# KiCad board proteus.kicad_pcb (continued)
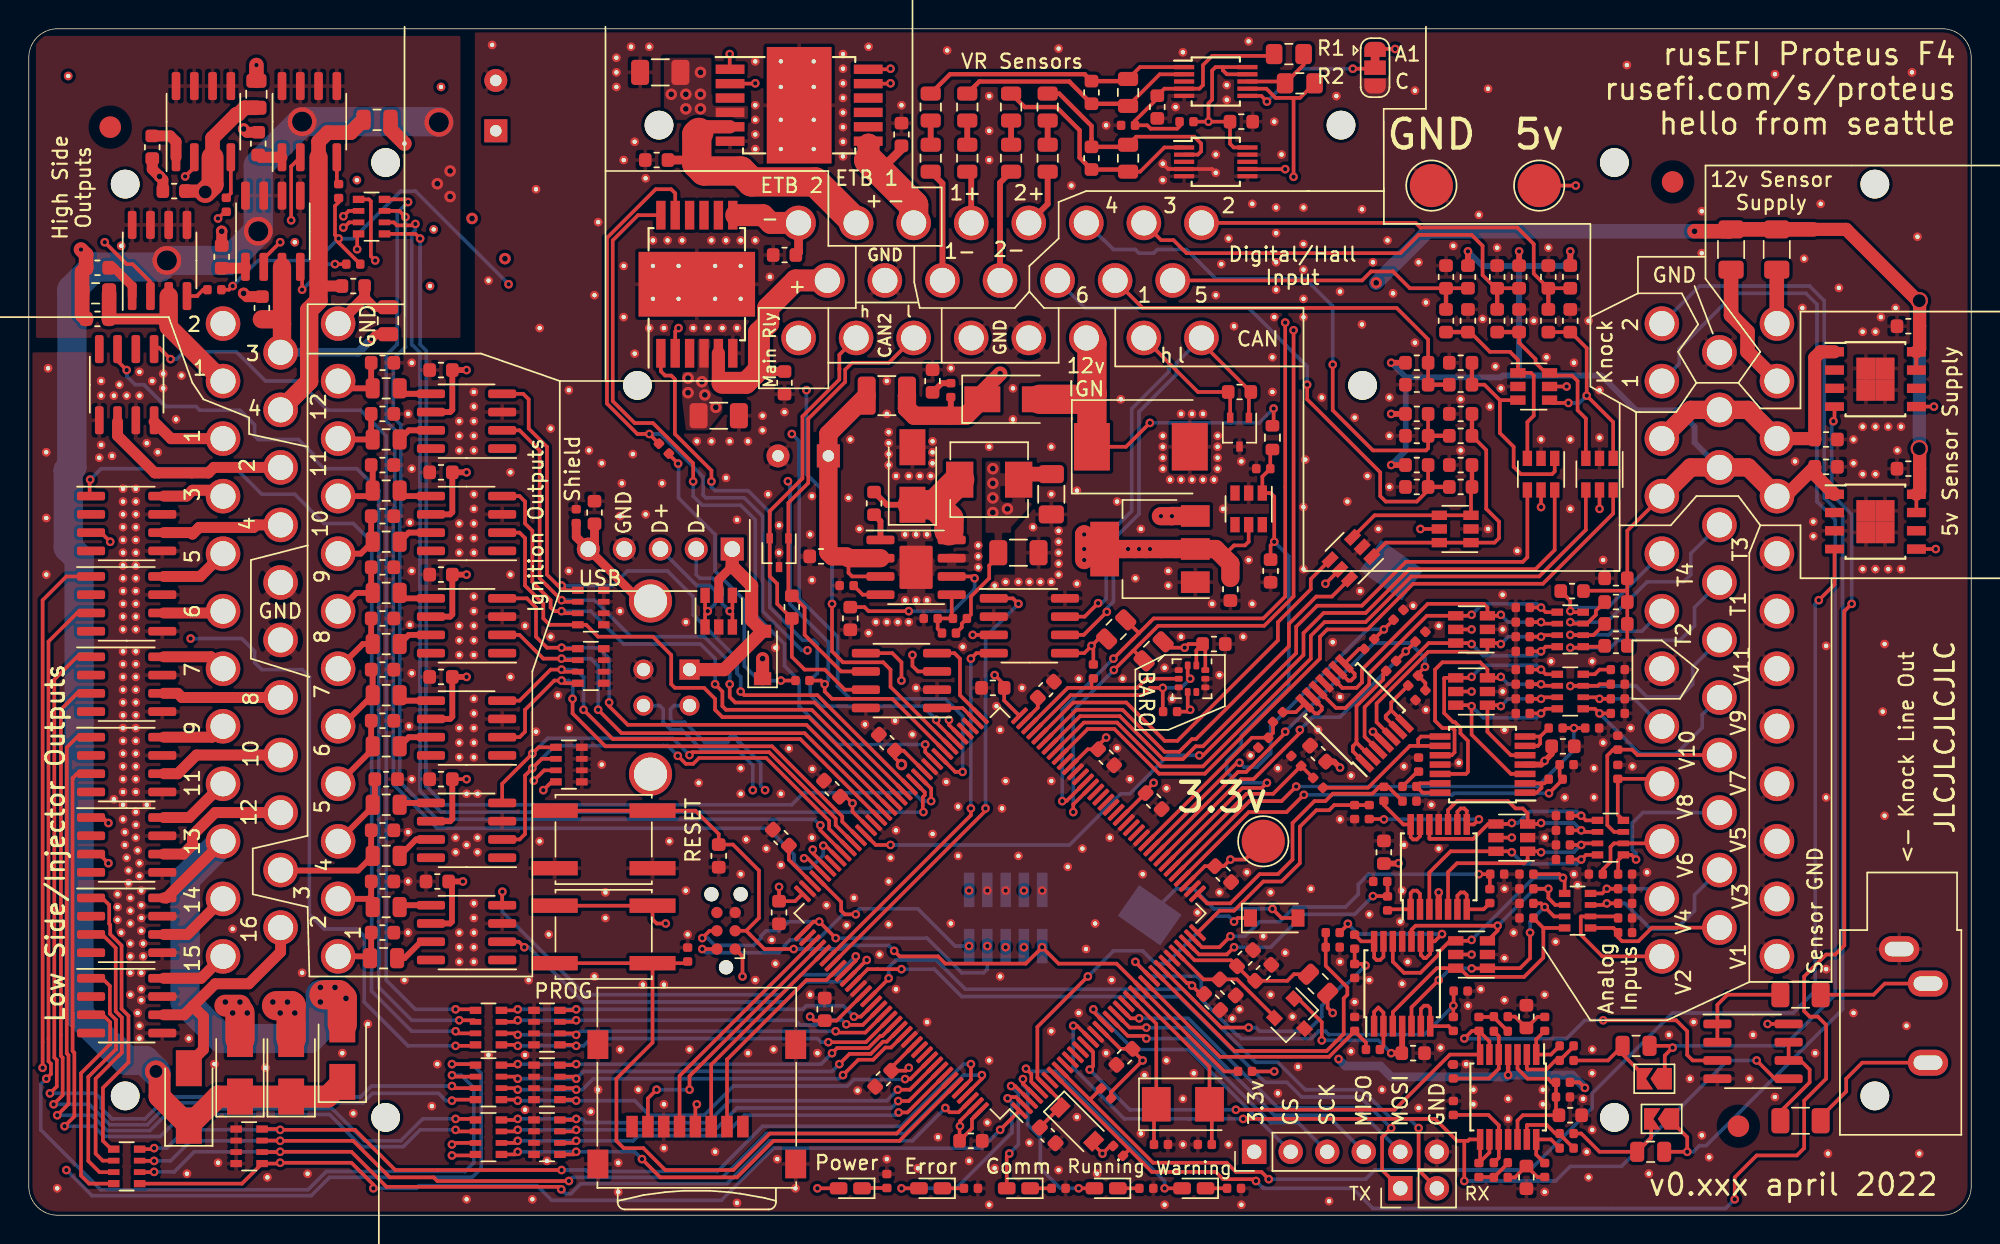
[diagram p0: board, top side]
## Routing (per net, layer and track width the routed paths; a pad name or vN(x,y) marks a point on that pad's centre or on a via; arc(x,y) is an arc through that point) (continued)
  Bottom w0.254: v3(71.83,28.8) 71.83,35.15 v3(75.38,38.7)
/USB_D+: length 38.9
  Top w0.2: U1501.104 55.22,23.77
  Top w0.254: U1502.1 47,41.82 v3(47.19,42) 47,42.19 U1502.6 ; v3(53.88,24.82) 54.13,24.82 55.18,23.77 U1501.104
  In1.Cu w0.254: v3(50.32,29.56) 50.49,29.39 50.49,28.46 53.88,25.07 v3(53.88,24.82) ; v3(47.19,42) 47.7,41.5 47.7,40.59 47.21,40.1 44.67,40.1 44.07,39.49 44.07,36.79 J1501.3
  Bottom w0.254: J1501.3 43.85,35.44 44.09,35.2 44.09,34.28 44.6,33.77 45.36,33.77 46.78,32.35 49.24,32.35 50.32,31.28 v3(50.32,29.56) ; J1504.3 46.43,43.78 47.34,43.78 47.7,43.42 47.7,42.51 v3(47.19,42)
/USB_D-: length 38.2
  Top w0.2: U1501.103 55.54,24.08
  Top w0.254: U1501.103 55.54,24.13 54.49,25.18 v3(54.49,25.42) ; U1502.4 48.9,42.19 v3(48.71,42) 48.9,41.82 U1502.3
  In1.Cu w0.254: J1501.2 44.57,36.79 44.57,39.28 44.88,39.59 47.42,39.59 48.21,40.37 48.21,41.5 v3(48.71,42) ; v3(51.17,29.56) 51,29.39 51,28.67 54.24,25.42 v3(54.49,25.42)
  Bottom w0.254: v3(51.17,29.56) 50.87,29.86 50.87,31.44 49.45,32.86 49.41,32.87 49.36,32.88 49.32,32.91 49.29,32.94 49.26,32.98 49.25,33.02 49.24,33.12 49.22,33.16 49.2,33.2 49.16,33.24 49.12,33.26 49.08,33.28 49.03,33.28 48.85,33.28 48.81,33.28 48.76,33.26 48.72,33.24 48.69,33.2 48.66,33.16 48.65,33.12 48.64,33.02 48.62,32.98 48.6,32.94 48.56,32.91 48.52,32.88 48.48,32.87 48.43,32.86 46.99,32.86 45.57,34.28 44.81,34.28 44.6,34.49 44.6,35.2 44.84,35.44 J1501.2 ; v3(48.71,42) 48.21,42.51 48.21,43.63 47.55,44.29 46.64,44.29 46.39,44.54 J1504.2
/USB_SHIELD: length 23.9
  Top w0.254: 43.86,30.07 43.42,30.07
  Top w0.61: J1504.5 38.05,47.16 R1501.1 ; J1504.5 39.32,46.75 C1516.1 ; J1504.5 42.5,42.71 J1501.5
  In1.Cu w0.762: J1501.5 41.35,32.53 41.35,40.85 J1501.5
/VR1+: length 3.7
  Top w0.406: R1205.2 65.5,72.29 J101.5
/VR1-: length 7.9
  Top w0.406: R1208.2 63.5,71.75 J101.13
/VR2+: length 4.1
  Top w0.406: R1210.2 70.81,70.31 J101.4
/VR2-: length 7.9
  Top w0.406: R1213.2 67.5,71.79 J101.12
Net-(BT1-Pad1): length 11.9
  Top w0.254: D3.2 87.07,20.67 v2(86.43,21.3)
  Bottom w0.254: v2(86.43,21.3) 82.37,21.3 80.97,22.7 79.74,22.7 BT1.1
Net-(C1-Pad1): length 18
  Top w0.254: 105.26,19.98 RN701.8 ; 105.26,19.98 C1.1 ; 105.26,19.98 105.26,17.91 103.93,16.57 100.05,16.57 99.45,17.18 U1.6 97.85,17.18 94.8,14.12 U701.3
Net-(C2-Pad1): length 18
  Top w0.254: C2.1 105.1,21.68 v2(105.36,21.43) 106.01,20.78 RN701.7 ; v2(104.34,19.65) 104.34,17.87 103.64,17.18 U1.1 ; v2(100.28,17.16) 101.36,17.16 U1.1 ; U1.1 101.87,17.18 ; v2(97.99,16.35) 96.1,14.46 U701.5
  Bottom w0.254: v2(100.28,17.16) 98.8,17.16 v2(97.99,16.35) ; v2(104.34,19.65) 104.34,20.41 v2(105.36,21.43)
Net-(C3-Pad1): length 15.9
  Top w0.254: U1.3 102.08,19.78 v2(102.08,20.13) 96.38,20.13 96.1,19.85 U701.10 ; C3.1 v2(105.61,22.7) 105.61,22.05 106.09,21.58 RN701.6
  Bottom w0.254: v2(105.61,22.7) 104.65,22.7 v2(102.08,20.13)
Net-(C4-Pad1): length 19.7
  Top w0.254: RN701.5 106.74,23.35 v2(106.63,23.46) 106.37,23.72 C4.1 ; v2(100.28,19.14) 100.21,19.08 U1.4 98.77,19.08 97.99,18.3 97.99,18.13 96.72,16.86 95.58,16.86 94.8,17.63 U701.12
  Bottom w0.254: v2(106.63,23.46) 104.59,23.46 v2(100.28,19.14)
Net-(C5-Pad1): length 16.3
  Top w0.254: C5.1 v2(107.9,24.73) 108.22,25.06 RN801.8 ; U801.3 97.34,23.83 98.82,25.31 U2.6 103,25.31 v2(103.07,25.24)
  Bottom w0.254: v2(107.9,24.73) 107.6,24.43 103.88,24.43 v2(103.07,25.24)
Net-(C6-Pad1): length 15
  Top w0.254: C6.1 v2(107.9,25.75) 108,25.86 RN801.7 ; v2(105.1,25.24) 105.04,25.31 U2.1 104.17,24.73 103.92,24.48 99.26,24.48 98.64,23.86 U801.5
  Bottom w0.254: v2(105.1,25.24) 107.39,25.24 v2(107.9,25.75)
Net-(C7-Pad1): length 13.8
  Top w0.254: C7.1 v2(107.9,26.76) 108,26.66 RN801.6 ; v2(105.1,27.27) 105.04,27.21 U2.3 104.17,27.95 103.83,28.29 103.32,28.29 102.82,28.8 99.26,28.8 98.64,28.18 U801.10
  Bottom w0.254: v2(107.9,26.76) 107.39,27.27 v2(105.1,27.27)
Net-(C8-Pad1): length 14.5
  Top w0.254: v2(103.07,27.27) 103,27.21 U2.4 101.42,27.21 100.39,26.17 97.37,26.17 97.34,26.2 U801.12 ; C8.1 v2(107.9,27.78) 108.22,27.46 RN801.5
  Bottom w0.254: v2(103.07,27.27) 103.49,27.27 104.3,28.08 107.6,28.08 v2(107.9,27.78)
Net-(C9-Pad1): length 15.3
  Top w0.254: U901.3 103.01,30.69 100.28,33.42 v2(100.28,35.4) 100.21,35.47 U3.6 ; C9.1 v2(105.1,34.89) 105.43,35.22 RN901.8
  Bottom w0.254: v2(100.28,35.4) 101.08,34.59 104.8,34.59 v2(105.1,34.89)
Net-(C10-Pad1): length 11.1
  Top w0.254: v2(102.31,35.4) 102.24,35.47 U3.1 101.38,33.62 103.01,31.99 U901.5 ; RN901.7 105.21,36.02 v2(105.1,35.91) C10.1
  Bottom w0.254: v2(102.31,35.4) 102.82,35.91 v2(105.1,35.91)
Net-(C11-Pad1): length 18.4
  Top w0.254: RN901.6 105.21,36.82 v2(105.1,36.92) C11.1 ; v2(102.31,37.43) 102.24,37.37 U3.3 101.38,37.95 100.87,38.45 98.24,38.45 97.74,37.94 97.74,34.38 98.24,33.88 98.95,33.88 99.09,33.73 99.09,32.19 98.89,31.99 U901.10
  Bottom w0.254: v2(105.1,36.92) 102.82,36.92 v2(102.31,37.43)
Net-(C12-Pad1): length 18.5
  Top w0.254: RN901.5 105.43,37.62 v2(105.1,37.94) C12.1 ; U901.12 99.88,30.69 100.02,30.83 100.02,32.99 99.5,33.51 99.5,33.9 99.12,34.28 99,34.28 98.37,34.92 98.37,37.34 98.39,37.37 U3.4 100.21,37.37 v2(100.28,37.43)
  Bottom w0.254: v2(100.28,37.43) 101.08,38.24 104.8,38.24 v2(105.1,37.94)
Net-(C13-Pad1): length 20
  Top w0.254: RN1101.8 105.43,39.53 v2(105.1,39.21) C13.1 ; U1101.3 92.84,33.28 92.84,35.33 97.29,39.78 U4.6 ; U4.6 100.21,39.78 v2(100.28,39.72) ; U4.6 99.19,39.78
  Bottom w0.254: v2(100.28,39.72) 101.08,38.91 104.8,38.91 v2(105.1,39.21)
Net-(C14-Pad1): length 18.5
  Top w0.254: U1101.5 93.67,34.29 93.67,35.59 97.26,39.18 99.96,39.18 100,39.14 101.31,39.14 101.38,39.2 U4.1 102.24,39.78 v2(102.31,39.72) ; C14.1 v2(105.1,40.23) 105.21,40.33 RN1101.7
  Bottom w0.254: v2(105.1,40.23) 102.82,40.23 v2(102.31,39.72)
Net-(C15-Pad1): length 20.7
  Top w0.254: v2(102.31,41.75) 102.24,41.68 U4.3 101.38,42.26 101.13,42.51 97.23,42.51 92.66,37.94 92.66,37.05 92.28,36.67 91.29,36.67 U1101.10 ; RN1101.6 105.21,41.13 v2(105.1,41.24) C15.1
  Bottom w0.254: v2(102.31,41.75) 102.82,41.24 v2(105.1,41.24)
Net-(C16-Pad1): length 21.7
  Top w0.254: U4.4 99.07,41.68 ; U4.4 97.16,41.68 93.16,37.69 93.16,36.92 91.51,35.27 90.85,35.27 U1101.12 ; U4.4 100.21,41.68 v2(100.28,41.75) ; RN1101.5 105.43,41.93 v2(105.1,42.26) C16.1
  Bottom w0.254: v2(105.1,42.26) 104.85,42.51 101.04,42.51 v2(100.28,41.75)
Net-(C18-Pad1): length 9.8
  Top w0.254: J3.R 127.43,10.61 126.31,9.49 126.31,8.6 124.54,6.83 C18.1
Net-(C18-Pad2): length 7.4
  Top w0.254: C18.2 121.74,7.2 123.77,9.24 123.77,10.13 123.14,10.76 U7.6 U7.7
Net-(C19-Pad1): length 7.8
  Top w0.254: J3.T 128.99,16.11 128.22,15.33 C19.1
Net-(C19-Pad2): length 7.3
  Top w0.254: C19.2 118.06,15.33 117.36,14.64 U7.1 U7.2
Net-(C21-Pad2): length 3.2
  Top w0.254: R42.1 104.85,13.79 C21.2 103.3,13.81 R44.2
Net-(C22-Pad2): length 3.2
  Top w0.254: R43.1 104.85,2.66 C22.2 103.3,2.63 R45.2
Net-(C23-Pad1): length 2.5
  Top w0.254: R46.2 101.82,13.76 R44.1 101.8,13.79 C23.1
Net-(C24-Pad1): length 2.5
  Top w0.254: R47.2 102.79,3.6 R45.1 101.8,2.66 C24.1
Net-(C25-Pad2): length 6.2
  Top w0.254: C25.2 101.49,9.52 102.17,10.19 U5.5 102.17,12.45 R46.1 101.8,12.82
Net-(C26-Pad2): length 6.2
  Top w0.254: R47.1 102.17,3.99 U5.10 102.17,6.25 101.44,6.97 C26.2
Net-(C30-Pad1): length 27.3
  Top w0.254: C30.1 71.64,7.48 D4.1 71.68,7.98 U1501.6 70.1,9.56 70.1,13.1 v2(73.61,16.6) ; v2(83.77,20.41) 84.02,20.67 D3.1
  Bottom w0.254: v2(73.61,16.6) 75.38,18.38 77.42,18.38 78.31,17.49 79.07,17.49 82.37,20.8 83.39,20.8 v2(83.77,20.41)
Net-(C902-Pad1): length 11.8
  Top w0.254: C902.1 58.09,42.28 58.37,42 v2(61.16,42) ; v2(65.73,44.29) 65.61,44.42 U903.6
  Bottom w0.254: v2(65.73,44.29) 65.73,43.53 64.21,42 v2(61.16,42)
Net-(C904-Pad1): length 2.1
  Top w0.406: 59.1,47.05 59.19,46.96 59.19,48.26 C904.1
Net-(C904-Pad2): length 9.3
  Top w0.406: C904.2 59.63,49.4 D901.1
  Top w2.032: D901.1 62.95,49.4 ; 62.95,49.4 63.95,48.4 63.95,47.59 ; 62.95,49.4 L1001.1
Net-(C905-Pad2): length 3.9
  Top w0.254: U903.5 64.14,41.58 R908.1 R907.1 63.17,40.78 C905.2
Net-(C1001-Pad1): length 19.1
  Top w0.254: 59.19,44.42 57.22,44.42 56.97,44.67 56.97,45.69 56.84,45.81
  Top w1.27: 56.97,45.69 59.19,45.69 ; L1002.2 55.57,54.33 C1001.1 55.57,46.09 C1002.1 56.84,45.81
Net-(C1006-Pad1): length 1.5
  Top w0.406: R906.2 63.45,57.86 C1006.1
Net-(C1205-Pad1): length 13.8
  Top w0.254: C1205.1 100.17,61.41 101.55,60.04 102.94,60.04 103.49,59.49 U1106.1 104.41,58.58 104.59,58.39 104.59,55.59 104.15,55.15 104.15,52.63
  Top w0.305: C1205.1 R1202.1
Net-(C1208-Pad1): length 12.5
  Top w0.254: 100.3,50.55 R1204.1 100.23,50.57 100.23,48.67 93.53,48.67 U1208.3
  Top w0.305: R1204.1 C1208.1
Net-(C1209-Pad1): length 17
  Top w0.254: U1203.2 78.6,79.33 R1207.2
  Top w0.305: R1206.1 66.06,78.83 72.31,78.83 C1209.1 76.25,77.28 R1207.2
Net-(C1209-Pad2): length 18.8
  Top w0.254: U1203.1 77.22,79.83 R1207.1
  Top w0.305: R1209.1 64.03,79.34 73.38,79.34 C1209.2 76.25,78.86 R1207.1
Net-(C1210-Pad1): length 15.4
  Top w0.254: U1204.2 81.25,73.75 81.48,73.98 81.48,74.52 81,74.99 76.96,74.99 R1212.2
  Top w0.305: R1212.2 76.25,74.29 C1210.1 73.86,75.75 71.61,77.99 R1211.1
Net-(C1210-Pad2): length 16.1
  Top w0.254: R1212.1 77.24,72.56 78.92,74.25 U1204.1
  Top w0.305: R1212.1 76.25,72.71 C1210.2 73.03,73.54 73.03,75.44 71.42,77.06 69.21,77.06 R1214.1
Net-(C1212-Pad1): length 16.4
  Top w0.254: 86.55,80.74 86.42,80.61 82.24,80.61 81.61,79.98 81.61,78.58 81.36,78.33 U1203.4 78.92,78.33 C1212.1 78.43,77.65 76.89,76.11 R1218.2 77.73,75.79 77.97,75.55 79.81,75.55 79.98,75.72 R1217.2 79.98,76.04
Net-(C1402-Pad1): length 14.3
  Top w0.254: 106.05,52.63 106.05,51.72 105.86,51.53 103.7,51.53 103.2,52.04 103.2,53.43 102.24,54.39 102.24,56.67 ; 102.24,56.67 U1106.3 ; 102.24,56.67 101.17,57.75 R1402.1
  Top w0.305: R1402.1 C1402.1
Net-(C1404-Pad1): length 14.4
  Top w0.254: R1404.1 C1404.1 107.16,61.41 108.28,60.29 v2(108.28,56.99) 110.12,55.15 110.12,52.63 ; U1106.4 105.89,56.48 v2(107.01,56.48)
  Bottom w0.254: v2(108.28,56.99) 107.77,56.48 v2(107.01,56.48)
Net-(C1406-Pad1): length 13.2
  Top w0.254: C1406.1 103.58,60.67 104.72,59.53 104.72,59.28 105.42,58.58 U1106.6 105.88,58.39 107.26,58.39 107.64,58.01 107.64,55.97 108.22,55.4 108.22,52.63
  Top w0.305: R1406.1 C1406.1
Net-(C1408-Pad1): length 18.8
  Top w0.254: U1208.1 94.32,46.77 U1107.6 U1107.1 101.87,46.77 102.18,47.08 102.18,48.23 101.29,49.12 101.29,53.21 R1408.1
  Top w0.305: R1408.1 C1408.1
Net-(C1518-Pad1): length 2
  Top w0.254: C1518.1 70.13,35.3 U1501.71
Net-(C1519-Pad1): length 3.3
  Top w0.254: C1519.1 52.83,24.71 U1501.106
Net-(C1520-Pad1): length 8.7
  Top w0.254: U8.2 86.58,13.79 83.97,16.4 C1520.1 81.65,16.4 U1501.32
Net-(C1521-Pad1): length 10.9
  Top w0.254: 78.2,4.92 78.2,7.55 Y1501.1 78.36,13.32 U1501.23
Net-(C1522-Pad1): length 12.7
  Top w0.254: C1522.1 82.22,7.55 Y1501.2 82.06,10.33 U1501.24
Net-(C1901-Pad1): length 6.7
  Top w0.254: R1901.2 109.75,10.76 C1901.1 110.77,11.19 112.25,9.71 JP1.2
Net-(C1902-Pad1): length 7.6
  Top w0.254: JP2.2 112.76,5.39 C1902.1 109.17,4.41 107.9,5.68 R1902.2
Net-(D1502-Pad1): length 1.7
  Top w0.254: D1502.1 57.93,1.89 R1508.2
Net-(D1503-Pad2): length 15.2
  Top w0.61: 48.89,45.13 47.95,44.2 U1502.5
  Top w0.914: J1504.1 48.89,45.13 50.24,43.78 50.24,41.37 D1503.2 48.33,37.94 J1501.1
Net-(D1504-Pad1): length 1.5
  Top w0.254: D1504.1 R1509.2
Net-(D1505-Pad1): length 1.5
  Top w0.254: R1510.2 D1505.1
Net-(D1506-Pad1): length 1.5
  Top w0.254: D1506.1 R1511.2
Net-(D1507-Pad1): length 1.5
  Top w0.254: D1507.1 R1512.2
Net-(F101-Pad1): length 9.1
  Top w1.016: J103.11 119.45,60.05 119.45,61.44 118.31,62.58 F101.1
Net-(F102-Pad2): length 3.8
  Top w1.016: F102.2 121.49,62.02 J103.12
Net-(J1502-Pad6): length 0.1
  Bottom w0.61: J1502.6 v2(67.89,18.64)
Net-(J1502-Pad7): length 0
  Bottom w0.61: J1502.7 v2(69.16,22.57)
Net-(J1502-Pad8): length 0.1
  Bottom w0.61: J1502.8 v2(69.16,18.64)
Net-(JP1201-Pad2): length 10
  Top w0.254: v2(86.05,77.44) 85.66,77.83 U1203.6 ; v2(92.02,79.72) 93.5,79.72 JP1201.2
  Bottom w0.254: v2(86.05,77.44) 88.34,79.72 v2(92.02,79.72)
Net-(R1-Pad2): length 4.6
  Top w0.254: U701.1 93.5,14.15 93.8,14.45 94.15,14.09 U701.2 94.15,11.77 R1.2
Net-(R2-Pad2): length 5
  Top w0.254: U701.6 96.75,14.35 96.97,14.57 97.23,14.57 97.4,14.4 U701.7 98.68,13.15 R2.2
Net-(R3-Pad2): length 11.4
  Top w0.254: R3.2 91.68,20.22 v2(91.68,20.27) ; U701.9 96.75,18.1 96.97,17.87 97.1,17.87 97.4,18.17 U701.8 97.71,19.05 v2(98.22,19.55)
  Bottom w0.254: v2(91.68,20.27) 92.39,19.55 v2(98.22,19.55)
Net-(R4-Pad2): length 4.6
  Top w0.254: R4.2 92.6,19.05 U701.14 93.5,17.92 93.67,17.75 93.93,17.75 94.15,17.97 U701.13
Net-(R9-Pad2): length 4.7
  Top w0.254: R9.2 94.51,21.27 U801.1 96.04,22.4 96.21,22.57 96.47,22.57 96.69,22.35 U801.2
Net-(R10-Pad2): length 4.5
  Top w0.254: R10.2 101.11,21.27 U801.7 99.94,22.27 99.77,22.45 99.51,22.45 99.29,22.22 U801.6
Net-(R11-Pad2): length 11.3
  Top w0.254: v2(100.78,27.53) 100.43,27.17 U801.8 99.94,28.12 99.77,28.29 99.51,28.29 99.29,28.06 U801.9 ; R11.2 94.16,27.55 v2(94.18,27.53)
  Bottom w0.254: v2(94.18,27.53) v2(100.78,27.53)
Net-(R12-Pad2): length 5.2
  Top w0.254: R12.2 94.18,28.52 95.53,27.17 U801.14 96.04,26.3 96.21,26.13 96.47,26.13 96.69,26.35 U801.13
Net-(R17-Pad2): length 3.4
  Top w0.254: R17.2 105.35,30.04 105.13,30.04 ; U901.1 104.8,29.39 105.13,29.71 105.13,30.04 ; U901.2 105.13,30.04
Net-(R18-Pad2): length 3.5
  Top w0.254: U901.6 104.88,32.64 105.04,32.8 105.04,33.29 ; 105.04,33.29 R18.2 ; 105.04,33.29 U901.7
Net-(R19-Pad2): length 11.4
  Top w0.254: U901.8 96.77,33.29 96.56,33.08 96.56,32.64 ; 96.56,32.64 U901.9 ; 96.56,32.64 95.99,32.64 93.08,29.72 R19.2
Net-(R20-Pad2): length 3.6
  Top w0.254: U901.14 96.87,29.39 R20.2 96.67,30.04 U901.13
Net-(R25-Pad2): length 8.5
  Top w0.254: 92.28,32.86 92.02,32.61 92.02,32.26 U1101.1 ; 92.28,32.86 92.78,32.35 ; 92.28,32.86 92.28,35.4 94.14,37.26 94.14,37.64 R25.2 ; U1101.2 93.25,31.89
Net-(R26-Pad2): length 5.4
  Top w0.254: 94.69,35.11 94.69,35.65 R26.2 ; 94.69,35.11 94.31,34.73 94.31,34.57 U1101.6 ; 94.69,35.11 U1101.7
Net-(R27-Pad2): length 4.6
  Top w0.254: R27.2 92.46,39.38 U1101.8 92.15,37.65 92.15,37.43 91.89,37.18 91.7,37.18 U1101.9
Net-(R28-Pad2): length 4.6
  Top w0.254: U1101.13 89.86,35.34 89.86,35.15 89.61,34.89 89.39,34.89 U1101.14 88.07,34.98 R28.2
Net-(R905-Pad1): length 2.1
  Top w0.254: 59.19,43.15 57.96,43.15 R905.1
Net-(R1105-Pad1): length 1.6
  Top w0.254: U1102.4 11.72,63.91 11.72,63.95 12.12,64.36 R1105.1
Net-(R1106-Pad1): length 2.8
  Top w0.61: U1102.1 7.18,64.61 5.91,65.88 R1106.1
Net-(R1107-Pad1): length 3
  Top w0.254: 14.04,73.56 14.04,71.06 R1107.1
Net-(R1108-Pad1): length 2.9
  Top w0.762: R1108.1 9.83,75.05 10.23,74.64 10.23,73.56
Net-(R1109-Pad1): length 5.4
  Top w0.254: R1109.1 v3(21.28,66.13) ; U1104.4 19,65.82 v3(19,64.36)
  Bottom w0.254: v3(19,64.36) 20.77,66.13 v3(21.28,66.13)
Net-(R1110-Pad1): length 1.7
  Top w0.762: R1110.1 14.97,65.85 15.06,65.94
Net-(R1111-Pad1): length 1.9
  Top w0.254: 21.41,73.56 21.41,71.83 R1111.1
Net-(R1112-Pad1): length 1.7
  Top w0.762: R1112.1 16.11,73.56 17.6,73.56
Net-(R1205-Pad1): length 1.7
  Top w0.406: R1205.1 R1206.2
Net-(R1208-Pad1): length 1.7
  Top w0.406: R1208.1 R1209.2
Net-(R1210-Pad1): length 1.7
  Top w0.406: R1210.1 R1211.2
Net-(R1213-Pad1): length 1.7
  Top w0.406: R1213.1 R1214.2
Net-(R1219-Pad1): length 5.2
  Top w0.254: R1219.1 88.6,80 R1220.2 87.19,78.83 U1203.8
Net-(R1601-Pad2): length 2.8
  Top w0.406: R1601.2 26.11,17.87 27.25,19.02 U1602.7
Net-(R1602-Pad2): length 2.2
  Top w0.406: R1602.2 25.9,21.56 U1602.5
Net-(R1603-Pad2): length 2.6
  Top w0.406: R1603.2 26.92,26.13 27.95,26.13
Net-(R1604-Pad2): length 2.2
  Top w0.406: R1604.2 25.9,28.67 U1603.5
Net-(R1701-Pad2): length 2.4
  Top w0.406: U1701.7 26.41,33.24 R1701.2
Net-(R1702-Pad2): length 2.3
  Top w0.406: R1702.2 26.16,35.78 27.95,35.78
Net-(R1703-Pad2): length 2.4
  Top w0.406: R1703.2 26.41,40.35 U1702.7
Net-(R1704-Pad2): length 2.3
  Top w0.406: U1702.5 26.16,42.89 R1704.2
Net-(R1801-Pad2): length 2.4
  Top w0.406: U1801.7 26.41,47.47 R1801.2
Net-(R1802-Pad2): length 2.3
  Top w0.406: U1801.5 26.16,50.01 R1802.2
Net-(R1803-Pad2): length 2.4
  Top w0.406: 27.95,54.58 26.41,54.58 R1803.2
Net-(R1804-Pad2): length 2.3
  Top w0.406: 27.95,57.12 26.16,57.12 R1804.2
Net-(R1901-Pad1): length 5
  Top w0.254: R1903.2 107.36,11.73 R1901.1 106.1,10.76 105.47,10.13 104.18,10.13 104.12,10.19 U5.2
Net-(R1902-Pad1): length 4.9
  Top w0.254: U5.13 104.12,6.25 104.14,6.28 105.51,6.28 106.1,5.68 R1902.1 106.39,5.64 R1904.2
Net-(R1903-Pad1): length 3.8
  Top w0.254: R42.2 104.77,12.23 U5.1 105.79,11.17 R1903.1
Net-(R1904-Pad1): length 3.8
  Top w0.254: R43.2 104.77,4.22 U5.14 105.79,5.27 R1904.1
Net-(RN201-Pad5): length 64
  Top w0.254: 8.71,60.33 9.05,60.33 v2(9.85,59.53) ; RN201.5 30.98,14.32 v2(29.66,14.32)
  Bottom w0.254: v2(9.85,59.53) 10.28,59.53 10.78,60.04 14.42,60.04 16.46,58.01 18.74,58.01 20.77,55.97 23.06,55.97 24.84,54.2 24.84,16.35 26.87,14.32 v2(29.66,14.32)
Net-(RN201-Pad6): length 65.9
  Top w0.254: 6.17,60.33 6.17,59.4 v2(6.8,58.77) ; RN201.6 30.94,13.56 v2(29.92,13.56)
  Bottom w0.254: v2(29.92,13.56) 26.62,13.56 24.33,15.84 24.33,50.39 22.81,51.91 20.52,51.91 19.76,52.67 19.76,52.93 18.74,53.94 15.95,53.94 15.69,54.2 15.69,54.96 14.68,55.97 11.88,55.97 11.63,56.23 9.53,56.23 8,57.75 7.4,57.75 6.8,58.34 v2(6.8,58.77)
Net-(RN201-Pad7): length 62.8
  Top w0.254: 4.23,50.01 4.23,51.11 v2(4.26,51.15) ; RN201.7 29.81,12.65 v2(29.66,12.79)
  Bottom w0.254: v2(29.66,12.79) 26.62,12.79 23.82,15.59 23.82,46.83 22.55,48.1 20.52,48.1 18.49,50.13 16.2,50.13 14.42,51.91 5.03,51.91 v2(4.26,51.15)
Net-(RN201-Pad8): length 58
  Top w0.254: v2(29.66,11.78) 30.98,11.78 RN201.8 ; v3(5.66,46.83) 5.03,47.47 4.23,47.47
  In2.Cu w0.254: v3(11.25,40.1) 6.33,40.1 5.66,40.77 v3(5.66,46.83)
  Bottom w0.254: v3(11.25,40.1) 14.8,40.1 15.69,39.21 15.69,38.45 16.2,37.94 19,37.94 19.5,37.43 19.5,20.92 20.52,19.91 22.81,19.91 23.31,19.4 23.31,14.83 26.36,11.78 v2(29.66,11.78)
Net-(RN301-Pad5): length 86
  Top w0.254: v2(0.96,10.25) 0.96,42.77 2.61,44.42 4.23,44.42 ; v2(29.41,10.51) 30.98,10.51 RN301.5
  In2.Cu w0.254: v2(2.61,3.14) 2.61,5.05 3.12,5.55 3.12,8.86 1.72,10.25 v2(0.96,10.25)
  Bottom w0.254: v2(2.61,3.14) 4.39,1.36 19.63,1.36 20.9,2.63 30.81,2.63 31.44,3.27 31.44,9.87 30.81,10.51 v2(29.41,10.51)
Net-(RN301-Pad6): length 79.4
  Top w0.254: v2(1.22,9.49) 1.54,9.82 1.54,10.53 1.37,10.7 1.37,39.89 3.35,41.88 4.23,41.88 ; RN301.6 29.51,9.64 v2(29.41,9.74)
  Bottom w0.254: v2(1.22,9.49) 0.84,9.11 0.84,5.94 5,1.77 19.4,1.77 20.67,3.04 30.32,3.04 30.93,3.65 30.93,8.86 30.05,9.74 v2(29.41,9.74)
Net-(RN301-Pad7): length 63.8
  Top w0.254: v2(29.41,8.98) 29.56,8.84 RN301.7 ; v2(1.47,8.48) 1.95,8.95 1.95,10.79 1.77,10.97 1.77,37.25 3.35,38.83 4.23,38.83
  Bottom w0.254: v2(29.41,8.98) 23.82,8.98 23.06,8.22 9.6,8.22 8.07,6.7 5.79,6.7 5.03,7.46 5.03,8.08 4.63,8.48 v2(1.47,8.48)
Net-(RN301-Pad8): length 61.3
  Top w0.254: RN301.8 29.48,8.04 v2(29.41,7.97) ; v2(1.72,7.71) 2.35,8.34 2.35,10.96 2.23,11.08 2.23,35.17 3.35,36.29 4.23,36.29
  Bottom w0.254: v2(29.41,7.97) 28.99,7.97 28.48,8.48 23.89,8.48 23.23,7.82 9.77,7.82 8.24,6.29 5.62,6.29 4.2,7.71 v2(1.72,7.71)
Net-(RN401-Pad5): length 59.6
  Top w0.254: RN401.5 30.98,6.7 v2(29.66,6.7) ; v2(1.98,6.95) 2.76,7.73 2.76,11.13 2.64,11.25 2.64,32.53 3.35,33.24 4.23,33.24
  Bottom w0.254: v2(29.66,6.7) 27.38,6.7 25.85,5.17 23.31,5.17 21.08,7.41 9.93,7.41 8.41,5.89 5.45,5.89 4.38,6.95 v2(1.98,6.95)
Net-(RN401-Pad6): length 57.7
  Top w0.254: 4.23,30.7 3.35,30.7 3.04,30.39 3.04,13.13 ; RN401.6 29.77,5.83 v2(29.66,5.94) ; 3.04,13.13 3.04,14.06 ; 3.04,13.13 3.04,11.42 3.17,11.3 3.17,6.87 v2(2.49,6.19)
  Bottom w0.254: v2(29.66,5.94) 27.19,5.94 26.02,4.77 23.15,4.77 20.91,7 10.66,7 9.14,5.48 5.23,5.48 4.52,6.19 v2(2.49,6.19)
Net-(RN401-Pad7): length 47.3
  Top w0.254: RN401.7 29.52,5.03 v2(29.41,4.92) ; 4.23,27.65 5.15,27.65 v2(5.53,27.27)
  In2.Cu w0.254: v2(5.53,27.27) 5.53,25.34 6.11,24.76 6.11,24.06 4.52,22.46 4.52,13.3 6.3,11.52 10.11,11.52 11.5,10.13 11.5,8.48 12.14,7.84 20.39,7.84 23.31,4.92 v2(29.41,4.92)
Net-(RN401-Pad8): length 45.3
  Top w0.254: v2(5.53,24.48) 4.9,25.11 4.23,25.11 ; RN401.8 30.98,4.16 v2(29.41,4.16)
  In2.Cu w0.254: v2(29.41,4.16) 20.52,4.16 17.47,7.21 12.01,7.21 11.1,8.12 11.1,9.77 9.85,11.02 6.04,11.02 4.01,13.05 4.01,22.53 5.53,24.05 v2(5.53,24.48)
Net-(RN501-Pad5): length 20.2
  Top w0.254: 4.23,22.06 5.1,22.06 5.59,21.58 5.59,20.26 5.66,20.19 5.66,19.54 6.45,18.76 6.45,14.35 6.93,13.87 6.93,10.63 5.15,8.86 5.15,5.17 5.73,4.6 RN501.5
Net-(RN501-Pad6): length 18.9
  Top w0.254: RN501.6 5.13,3.8 4.64,4.29 4.64,9.49 6.47,11.31 6.47,13.76 6.04,14.18 6.04,18.59 5.1,19.52 4.23,19.52
Net-(RN501-Pad7): length 16.9
  Top w0.254: RN501.7 4.92,3 4.14,3.78 4.14,9.62 6.06,11.54 6.06,13.59 5.64,14.01 5.64,15.95 5.1,16.48 4.23,16.48
Net-(RN501-Pad8): length 15.8
  Top w0.254: 4.23,13.94 4.39,13.94 4.33,13.94 5.14,13.94 5.65,13.42 5.65,11.9 3.63,9.87 3.63,2.76 4.19,2.2 RN501.8
Net-(RN1301-Pad5): length 31
  Top w0.254: RN1301.5 23.64,70.64 23.78,70.5 23.78,66.69 v3(24.08,66.39) ; U1102.2 8.45,64.89 7.21,66.13 6.8,66.13 v3(5.28,67.66)
  In1.Cu w0.254: v3(5.28,67.66) 5.61,67.98 11.3,67.98 13.73,65.55 23.75,65.55 24.08,65.88 v3(24.08,66.39)
Net-(RN1301-Pad6): length 15
  Top w0.254: 11.5,73.56 11.5,72.87 v3(10.87,72.23) ; RN1301.6 22.24,69.84 v3(21.86,69.46)
  In1.Cu w0.254: v3(10.87,72.23) 19.09,72.23 v3(21.86,69.46)
Net-(RN1301-Pad7): length 10.2
  Top w0.254: U1104.2 16.33,66.52 v3(17.47,67.66) ; RN1301.7 22.27,69.04 21.91,68.67 v3(21.86,68.67)
  In1.Cu w0.254: v3(17.47,67.66) 17.47,69.28 18.14,69.94 20.17,69.94 21.44,68.67 v3(21.86,68.67)
Net-(RN1301-Pad8): length 11.2
  Top w0.254: 18.87,73.56 18.23,72.93 v3(18.23,69.18) ; RN1301.8 22.82,68.14 v3(22.82,67.17)
  In1.Cu w0.254: v3(22.82,67.17) 22.81,67.15 20.27,67.15 v3(18.23,69.18)

## Copper pours and planes (outline as drawn; the poured copper is in the pictures)
+3V3 on In2.Cu: 43.5,0 91.5,0 91.5,17 80.97,37.94 78.43,47.34 71.07,48.1 71.07,37.69 43.5,37.69
+5V on Top: 69.8,49.5 68.27,47.85 68.27,44.8 66.49,44.8 66.49,52.42 69.8,52.42
+5V on In2.Cu: 0,82.5 0,0 42.5,0 42.68,38.19 70.3,38.19 70.3,48.86 79.19,47.85 81.99,37.94 92.66,16.6 92.5,0 135,0 135,82.5
/12V_MR on Top: 48.21,55.85 47.19,54.58 45.67,54.58 45.41,56.61 45.41,58.64 46.43,58.64 46.43,60.93 48.21,60.93
/12V_MR on Top: 47.44,77.94 49.98,77.94 49.98,76.17 44.14,76.17 44.14,80.48 47.44,80.48
/12V_MR on Top: 30,82 0.5,82 0.5,61 30,61
/12V_MR on Bottom: 49.48,74.39 55.83,63.34 55.83,59.15 48.21,55.59 41.86,55.59 33.6,65.37 27,72.1 27,77.56 41.35,77.69 44.4,79.98 47.19,79.98
GND on Top: 135,0 0,0 0,60 31,60 31,82.5 135,82.5 ; 1 cut-out
GND on Bottom: 135,0 0,0 0,82.5 135,82.5
GND on In1.Cu: 0,82.5 0,0 135,0 135,82.5

## Text on the board
B.SilkS: 776231-1 | 776228-1 | 776231-2 | USB B | Welcome to rusEFI Proteus! / Board source & documentation / at github.com/mck1117/proteus / Firmware, forum, and software / documentation at rusefi.com | + | BLACK | WHITE
F.SilkS: h | l | Main Rly | GND | CAN2 | Running | Warning | TX | RX | 2 | 1 | 3 | 4 | PROG | USB | - | ETB 2 | + | Power | ETB 1 | Error | 1- | 1+ | 2- | Comm | VR Sensors | 2+ | 6 | 12v / IGN | 5 | CAN | Digital/Hall / Input | R1 | R2 | C | A1 | 12v Sensor / Supply | High Side / Outputs | 7 | 9 | 11 | 13 | 14 | 15 | 12 | 16 | 8 | 10 | Ignition Outputs | Shield | D+ | RESET | D- | 3.3v | CS | SCK | MISO | MOSI | Knock | Analog / Inputs | T2 | V4 | V2 | T4 | V8 | V6 | V10 | T1 | V9 | V7 | V5 | V1 | T3 | V3 | V11 | Sensor GND | <— Knock Line Out | 5v Sensor Supply | BARO | Low Side/Injector Outputs | JLCJLCJLCJLC | v0.xxx april 2022 | rusEFI Proteus F4 / rusefi.com/s/proteus / hello from seattle | 5v
